# EAGLE board Mk4 Final Panel 8up 2x4 (EAGLE 9.0.1), part 1 of 23 (continued)
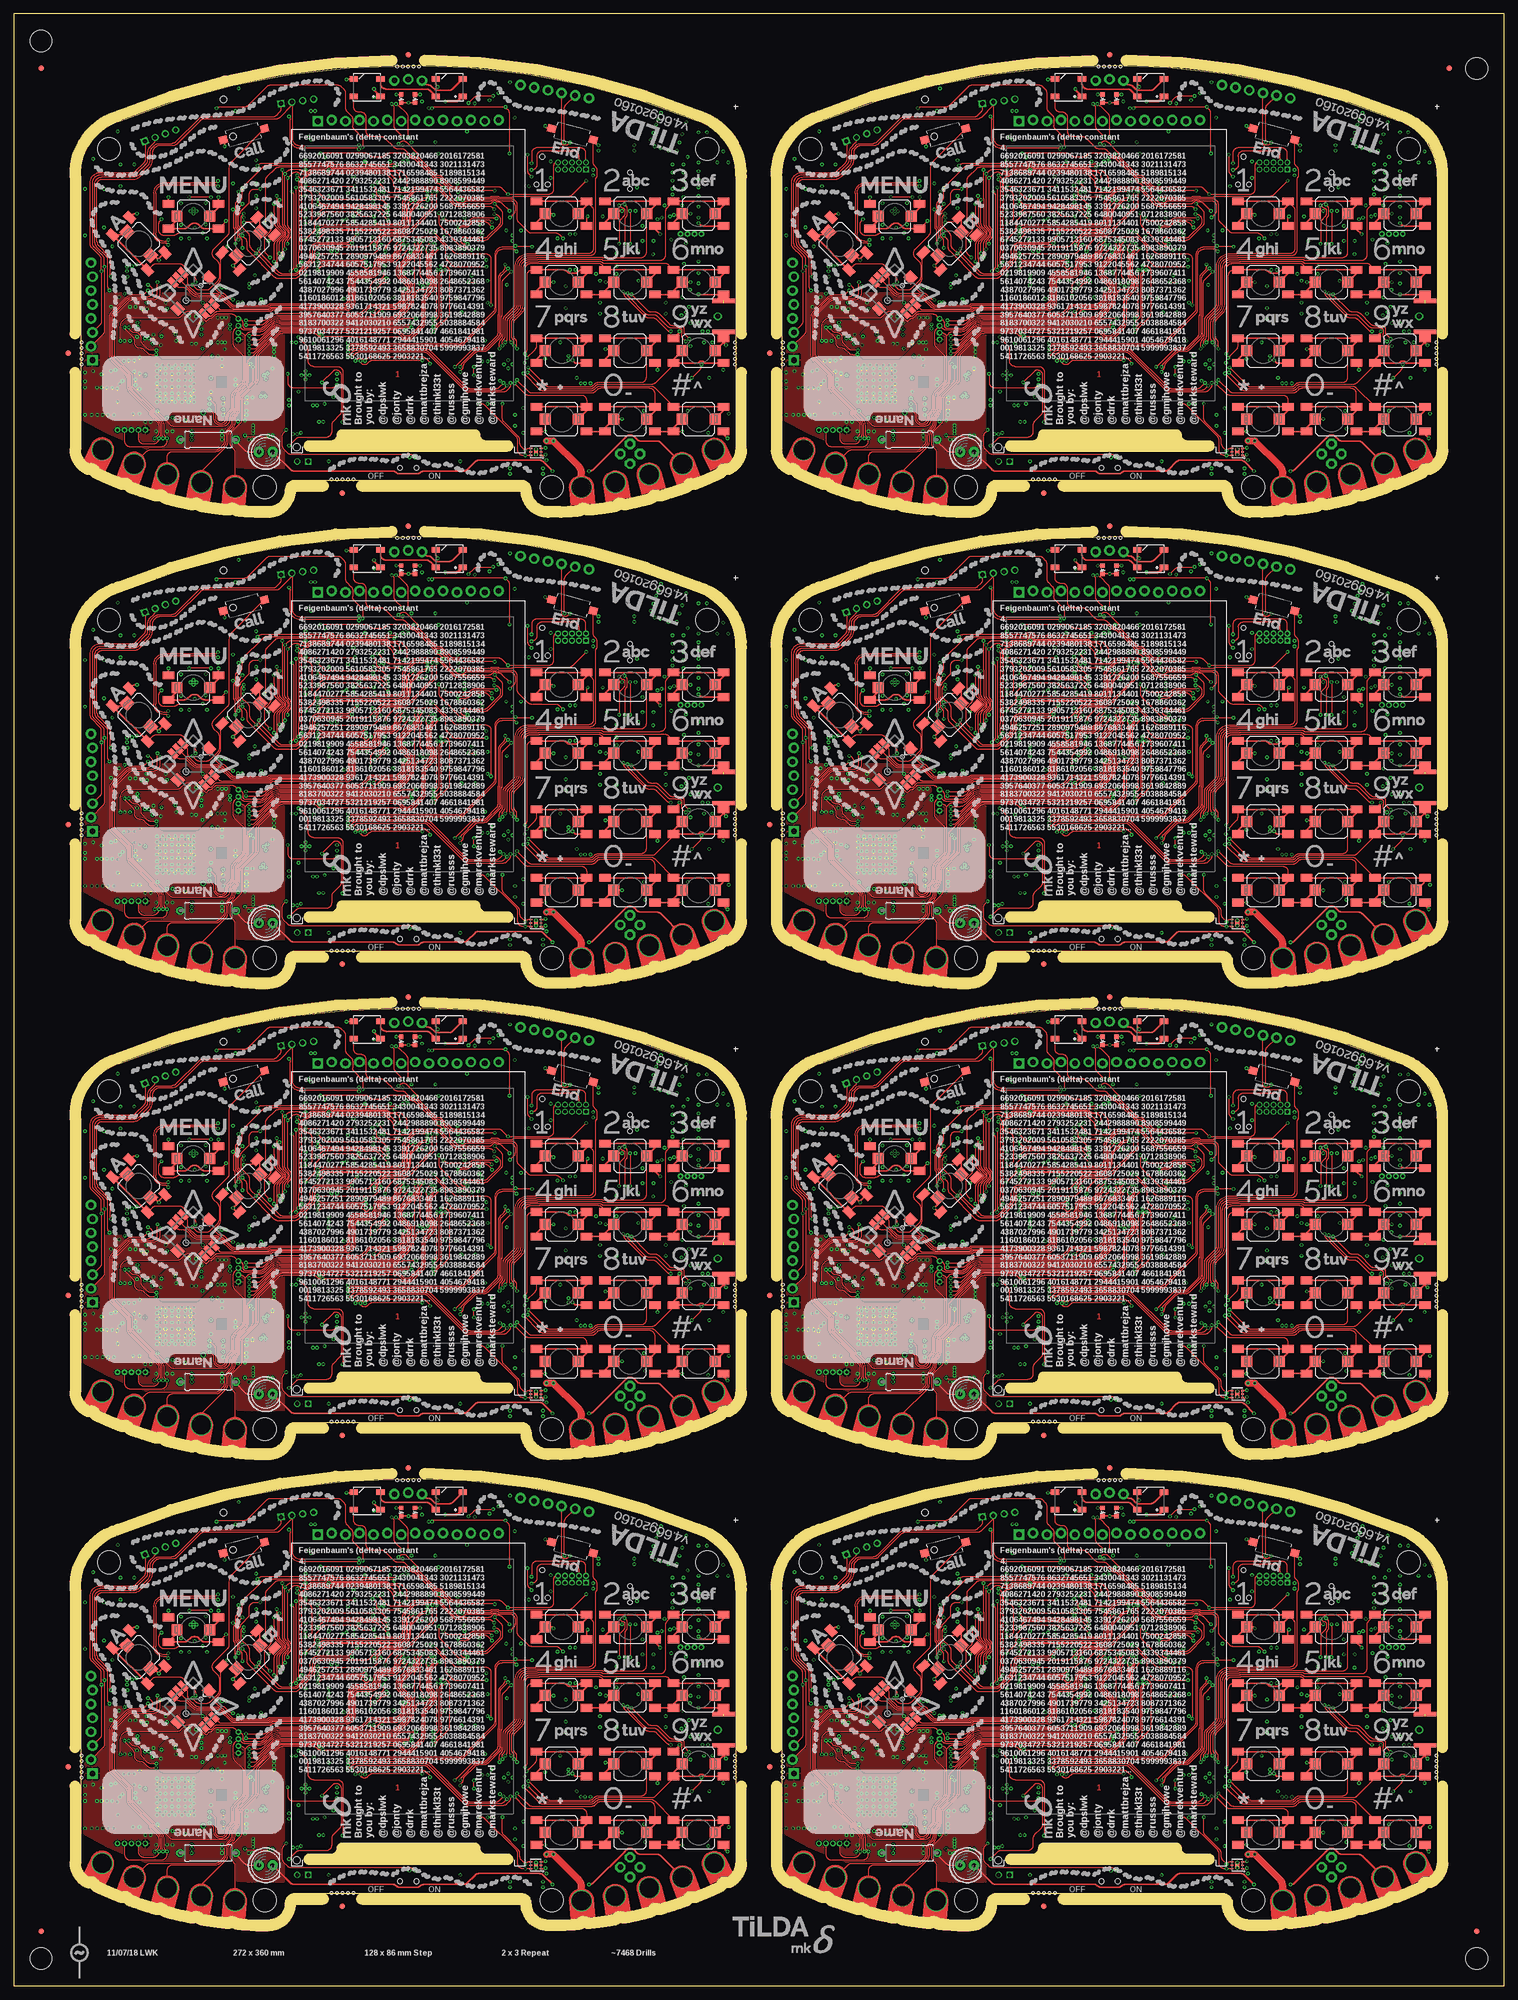
[diagram p0: board, top side]
## Placement (x,y rotation side) (continued)
C111  0603/1u/6V3/X5R  [C0603K-SMALL]  194.75,87.5 270 bottom
C112  0402/100n/10V/X5R  [C0402-SMALLER]  209.75,58.25 0 bottom
C113  0402/100n/10V/X5R  [C0402-SMALLER]  202.5,84.75 270 bottom
C114  0402/100n/10V/X5R  [C0402-SMALLER]  209.5,80.5 0 bottom
C115  0402/100n/10V/X5R  [C0402-SMALLER]  218.45,82.5 270 bottom
C116  0603/2u2/6V3/X5R  [C0603K-SMALL]  211,63.5 0 bottom
C117  0603/1u/6V3/X5R  [C0603K-SMALL]  211,62.25 0 bottom
C118  0402/100n/10V/X5R  [C0402-SMALLER]  201.75,75 270 bottom
C119  0402/100n/10V/X5R  [C0402-SMALLER]  209.5,65.25 90 bottom
C120  0402/100n/10V/X5R  [C0402-SMALLER]  190.75,64.6 270 bottom
C121  0402/100n/10V/X5R  [C0402-SMALLER]  199.5,74.25 0 bottom
C122  0402/100n/10V/X5R  [C0402-SMALLER]  200,55.5 180 bottom
C123  0402/100n/10V/X5R  [C0402-SMALLER]  202.75,55.5 180 bottom
C124  0603/1u/6V3/X5R  [C0603K-SMALL]  202.75,53.75 180 bottom
C125  0402/100n/10V/X5R  [C0402-SMALLER]  198.5,76.25 0 bottom
C126  0402/12p/50V/C0G  [C0402-SMALLER]  202.25,76.45 180 bottom
C127  0402/12p/50V/C0G  [C0402-SMALLER]  204.25,76.45 0 bottom
C128  0402/12p/50V/C0G  [C0402-SMALLER]  193.4,75 180 bottom
C129  0402/12p/50V/C0G  [C0402-SMALLER]  195.4,75 0 bottom
C130  0603/3n3/50V/X7R  [C0603K-SMALL]  216.5,89.5 90 bottom
C131  0402/100n/10V/X5R  [C0402-SMALLER]  214,37.75 180 bottom
C132  0402/100n/10V/X5R  [C0402-SMALLER]  184.25,73.5 0 bottom
C133  0402/100n/10V/X5R  [C0402-SMALLER]  184.25,68.75 0 bottom
C134  0402/100n/10V/X5R  [C0402-SMALLER]  169.25,66.25 180 bottom
C135  0402/100n/10V/X5R  [C0402-SMALLER]  184.25,64.75 0 bottom
C136  0402/100n/10V/X5R  [C0402-SMALLER]  184.25,75 0 bottom
C137  0402/100n/10V/X5R  [C0402-SMALLER]  169.25,71 180 bottom
C138  0402/100n/10V/X5R  [C0402-SMALLER]  184.25,54.25 0 bottom
C139  1411/100u/10V/Tant  [CT3528]  236.25,37.5 90 bottom
C140  0603/4u7/10V/X5R  [C0603K-SMALL]  241.5,39.75 180 bottom
C141  0402/100n/10V/X5R  [C0402-SMALLER]  243.25,42.75 180 bottom
C142  1411/100u/10V/Tant  [CT3528]  232.5,37.5 90 bottom
C143  0805/10u/10V/X5R  [C0805-N]  172.45,30.75 0 bottom
C144  0603/4u7/10V/X5R  [C0603K-SMALL]  173.45,26.35 90 bottom
C145  0805/10u/10V/X5R  [C0805-N]  172.45,28.75 0 bottom
C146  0805/10u/10V/X5R  [C0805-N]  221,27.75 270 bottom
C147  0805/10u/10V/X5R  [C0805-N]  183.75,32 180 bottom
C148  0805/10u/10V/X5R  [C0805-N]  176.75,38.5 90 bottom
C149  0603/4u7/10V/X5R  [C0603K-SMALL]  176.2,36.25 180 bottom
C150  0402/47n/10V/X5R  [C0402-SMALLER]  176.75,35.25 0 bottom
C151  0805/10u/10V/X5R  [C0805-N]  180.25,31 0 bottom
C152  0603/1u/6V3/X5R  [C0603K-SMALL]  177.75,40.75 0 bottom
C153  1210/100u/6V3/X5R  [C1210K]  166,49.25 270 bottom
C154  1210/100u/6V3/X5R  [C1210K]  163.25,25 0 bottom
C155  0402/22p/10V/C0G  [C0402-SMALLER]  241.5,64.5 270 bottom
C156  0402/22p/10V/C0G  [C0402-SMALLER]  238.5,64.5 270 bottom
C157  0402/22p/10V/C0G  [C0402-SMALLER]  236.5,64.5 270 bottom
C158  0402/100n/10V/X5R  [C0402-SMALLER]  255.25,26.25 180 bottom
C159  0402/33p/50V/C0G  [C0402-SMALLER]  238,78 0 bottom
C160  0402/10p/50V/C0G  [C0402-SMALLER]  236,77 0 bottom
C161  0402/33p/50V/C0G  [C0402-SMALLER]  240,78 180 bottom
C162  0402/33p/50V/C0G  [C0402-SMALLER]  236,78 0 bottom
C163  0402/10p/50V/C0G  [C0402-SMALLER]  238,77 0 bottom
C164  0402/10p/50V/C0G  [C0402-SMALLER]  240,77 180 bottom
C165  0402/33p/50V/C0G  [C0402-SMALLER]  229.5,58.5 90 bottom
C166  0402/10p/50V/C0G  [C0402-SMALLER]  230.5,60.5 90 bottom
C167  0402/33p/50V/C0G  [C0402-SMALLER]  229.5,56.5 270 bottom
C168  0402/33p/50V/C0G  [C0402-SMALLER]  229.5,60.5 90 bottom
C169  0402/10p/50V/C0G  [C0402-SMALLER]  230.5,58.5 90 bottom
C170  0402/10p/50V/C0G  [C0402-SMALLER]  230.5,56.5 270 bottom
C171  0402/100n/10V/X5R  [C0402-SMALLER]  219.25,62.45 180 bottom
C172  0402/100n/10V/X5R  [C0402-SMALLER]  234.75,73 270 bottom
C173  [C0402-SMALLER]  251.45,50.1 270 bottom
C174  [C0402-SMALLER]  252,47.5 180 bottom
C175  [C0402-SMALLER]  250.75,77 20 bottom
C176  [C0402-SMALLER]  251.75,79.75 20 bottom
C177  [C0402-SMALLER]  145.75,35.5 270 bottom
C178  [C0402-SMALLER]  142.5,35.5 270 bottom
C179  0402/1n/10V/X5R  [C0402-SMALLER]  221.5,69.75 0 bottom
C180  0402/2n2/10V/X5R  [C0402-SMALLER]  219.5,69.75 0 bottom
C181  0402/100n/10V/X5R  [C0402-SMALLER]  224,67 0 bottom
C182  0402/100n/10V/X5R  [C0402-SMALLER]  224,66 0 bottom
C183  0402/220n/6V3/X5R  [C0402-SMALLER]  163.95,70.45 180 bottom
C184  0402/220n/6V3/X5R  [C0402-SMALLER]  163.95,71.45 180 bottom
C185  0402/100n/10V/X5R  [C0402-SMALLER]  161.05,61.45 270 bottom
C186  0402/100n/10V/X5R  [C0402-SMALLER]  157,49.25 180 bottom
C187  0402/100n/10V/X5R  [C0402-SMALLER]  148.25,41 270 bottom
C188  0402/100n/10V/X5R  [C0402-SMALLER]  151.5,35.25 0 bottom
C189  0805/10u/10V/X5R  [C0805-N]  151.85,46.1 90 bottom
C190  0402/100n/10V/X5R  [C0402-SMALLER]  154.1,42.25 90 bottom
C191  0402/100n/10V/X5R  [C0402-SMALLER]  164.75,38.75 180 bottom
C192  0603/1u/6V3/X5R  [C0603K-SMALL]  151.5,41.75 0 bottom
C193  0603/22u/4V/X5R  [C0603K-SMALL]  161.25,44.75 90 bottom
C194  0603/22u/4V/X5R  [C0603K-SMALL]  160,44.75 90 bottom
C195  0805/10u/10V/X5R  [C0805-N]  166.25,44 270 bottom
C196  0402/4u7/6V3/X5R  [C0402-SMALLER]  155.6,42 90 bottom
C197  0402/4u7/6V3/X5R  [C0402-SMALLER]  161.2,40.5 180 bottom
C198  0402/4u7/6V3/X5R  [C0402-SMALLER]  156.9,42.2 90 bottom
C199  0402/100n/10V/X5R  [C0402-SMALLER]  156,27 270 bottom
C200  0402/100n/10V/X5R  [C0402-SMALLER]  164,34.25 270 bottom
C201  0805/10u/10V/X5R  [C0805-N]  164.5,40.75 180 bottom
C202  0402/100n/10V/X5R  [C0402-SMALLER]  151.5,34.25 0 bottom
C203  0402/100n/10V/X5R  [C0402-SMALLER]  164.75,37.75 180 bottom
C204  0402/100n/10V/X5R  [C0402-SMALLER]  165,30.75 180 bottom
C205  0402/100n/10V/X5R  [C0402-SMALLER]  157,27 270 bottom
C206  0402/12p/50V/C0G  [C0402-SMALLER]  150.95,32.25 270 bottom
C207  0402/12p/50V/C0G  [C0402-SMALLER]  150.95,30.25 90 bottom
C208  0402/12p/50V/C0G  [C0402-SMALLER]  167.75,33.75 270 bottom
C209  0402/12p/50V/C0G  [C0402-SMALLER]  167.75,35.75 90 bottom
C210  0402/100n/10V/X5R  [C0402-SMALLER]  215,31.5 180 bottom
C211  0402/120p/50V/C0G  [C0402-SMALLER]  167.95,26.35 270 bottom
C212  0402/100n/10V/X5R  [C0402-SMALLER]  224.25,22 90 bottom
C213  0402/220n/6V3/X5R  [C0402-SMALLER]  163.95,72.4 180 bottom
C214  0402/220n/6V3/X5R  [C0402-SMALLER]  164,69.5 180 bottom
C215  0402/100n/10V/X5R  [C0402-SMALLER]  219.35,18.5 270 bottom
C216  0402/100n/10V/X5R  [C0402-SMALLER]  226,21.5 270 bottom
C217  0603/4u7/10V/X5R  [C0603K-SMALL]  63.75,138.25 180 bottom
C218  0402/100n/10V/X5R  [C0402-SMALLER]  63.75,137 180 bottom
C219  0603/1u/6V3/X5R  [C0603K-SMALL]  66.75,173.5 270 bottom
C220  0402/100n/10V/X5R  [C0402-SMALLER]  81.75,144.25 0 bottom
C221  0402/100n/10V/X5R  [C0402-SMALLER]  74.5,170.75 270 bottom
C222  0402/100n/10V/X5R  [C0402-SMALLER]  81.5,166.5 0 bottom
C223  0402/100n/10V/X5R  [C0402-SMALLER]  90.45,168.5 270 bottom
C224  0603/2u2/6V3/X5R  [C0603K-SMALL]  83,149.5 0 bottom
C225  0603/1u/6V3/X5R  [C0603K-SMALL]  83,148.25 0 bottom
C226  0402/100n/10V/X5R  [C0402-SMALLER]  73.75,161 270 bottom
C227  0402/100n/10V/X5R  [C0402-SMALLER]  81.5,151.25 90 bottom
C228  0402/100n/10V/X5R  [C0402-SMALLER]  62.75,150.6 270 bottom
C229  0402/100n/10V/X5R  [C0402-SMALLER]  71.5,160.25 0 bottom
C230  0402/100n/10V/X5R  [C0402-SMALLER]  72,141.5 180 bottom
C231  0402/100n/10V/X5R  [C0402-SMALLER]  74.75,141.5 180 bottom
C232  0603/1u/6V3/X5R  [C0603K-SMALL]  74.75,139.75 180 bottom
C233  0402/100n/10V/X5R  [C0402-SMALLER]  70.5,162.25 0 bottom
C234  0402/12p/50V/C0G  [C0402-SMALLER]  74.25,162.45 180 bottom
C235  0402/12p/50V/C0G  [C0402-SMALLER]  76.25,162.45 0 bottom
C236  0402/12p/50V/C0G  [C0402-SMALLER]  65.4,161 180 bottom
C237  0402/12p/50V/C0G  [C0402-SMALLER]  67.4,161 0 bottom
C238  0603/3n3/50V/X7R  [C0603K-SMALL]  88.5,175.5 90 bottom
C239  0402/100n/10V/X5R  [C0402-SMALLER]  86,123.75 180 bottom
C240  0402/100n/10V/X5R  [C0402-SMALLER]  56.25,159.5 0 bottom
C241  0402/100n/10V/X5R  [C0402-SMALLER]  56.25,154.75 0 bottom
C242  0402/100n/10V/X5R  [C0402-SMALLER]  41.25,152.25 180 bottom
C243  0402/100n/10V/X5R  [C0402-SMALLER]  56.25,150.75 0 bottom
C244  0402/100n/10V/X5R  [C0402-SMALLER]  56.25,161 0 bottom
C245  0402/100n/10V/X5R  [C0402-SMALLER]  41.25,157 180 bottom
C246  0402/100n/10V/X5R  [C0402-SMALLER]  56.25,140.25 0 bottom
C247  1411/100u/10V/Tant  [CT3528]  108.25,123.5 90 bottom
C248  0603/4u7/10V/X5R  [C0603K-SMALL]  113.5,125.75 180 bottom
C249  0402/100n/10V/X5R  [C0402-SMALLER]  115.25,128.75 180 bottom
C250  1411/100u/10V/Tant  [CT3528]  104.5,123.5 90 bottom
C251  0805/10u/10V/X5R  [C0805-N]  44.45,116.75 0 bottom
C252  0603/4u7/10V/X5R  [C0603K-SMALL]  45.45,112.35 90 bottom
C253  0805/10u/10V/X5R  [C0805-N]  44.45,114.75 0 bottom
C254  0805/10u/10V/X5R  [C0805-N]  93,113.75 270 bottom
C255  0805/10u/10V/X5R  [C0805-N]  55.75,118 180 bottom
C256  0805/10u/10V/X5R  [C0805-N]  48.75,124.5 90 bottom
C257  0603/4u7/10V/X5R  [C0603K-SMALL]  48.2,122.25 180 bottom
C258  0402/47n/10V/X5R  [C0402-SMALLER]  48.75,121.25 0 bottom
C259  0805/10u/10V/X5R  [C0805-N]  52.25,117 0 bottom
C260  0603/1u/6V3/X5R  [C0603K-SMALL]  49.75,126.75 0 bottom
C261  1210/100u/6V3/X5R  [C1210K]  38,135.25 270 bottom
C262  1210/100u/6V3/X5R  [C1210K]  35.25,111 0 bottom
C263  0402/22p/10V/C0G  [C0402-SMALLER]  113.5,150.5 270 bottom
C264  0402/22p/10V/C0G  [C0402-SMALLER]  110.5,150.5 270 bottom
C265  0402/22p/10V/C0G  [C0402-SMALLER]  108.5,150.5 270 bottom
C266  0402/100n/10V/X5R  [C0402-SMALLER]  127.25,112.25 180 bottom
C267  0402/33p/50V/C0G  [C0402-SMALLER]  110,164 0 bottom
C268  0402/10p/50V/C0G  [C0402-SMALLER]  108,163 0 bottom
C269  0402/33p/50V/C0G  [C0402-SMALLER]  112,164 180 bottom
C270  0402/33p/50V/C0G  [C0402-SMALLER]  108,164 0 bottom
C271  0402/10p/50V/C0G  [C0402-SMALLER]  110,163 0 bottom
C272  0402/10p/50V/C0G  [C0402-SMALLER]  112,163 180 bottom
C273  0402/33p/50V/C0G  [C0402-SMALLER]  101.5,144.5 90 bottom
C274  0402/10p/50V/C0G  [C0402-SMALLER]  102.5,146.5 90 bottom
C275  0402/33p/50V/C0G  [C0402-SMALLER]  101.5,142.5 270 bottom
C276  0402/33p/50V/C0G  [C0402-SMALLER]  101.5,146.5 90 bottom
C277  0402/10p/50V/C0G  [C0402-SMALLER]  102.5,144.5 90 bottom
C278  0402/10p/50V/C0G  [C0402-SMALLER]  102.5,142.5 270 bottom
C279  0402/100n/10V/X5R  [C0402-SMALLER]  91.25,148.45 180 bottom
C280  0402/100n/10V/X5R  [C0402-SMALLER]  106.75,159 270 bottom
C281  [C0402-SMALLER]  123.45,136.1 270 bottom
C282  [C0402-SMALLER]  124,133.5 180 bottom
C283  [C0402-SMALLER]  122.75,163 20 bottom
C284  [C0402-SMALLER]  123.75,165.75 20 bottom
C285  [C0402-SMALLER]  17.75,121.5 270 bottom
C286  [C0402-SMALLER]  14.5,121.5 270 bottom
C287  0402/1n/10V/X5R  [C0402-SMALLER]  93.5,155.75 0 bottom
C288  0402/2n2/10V/X5R  [C0402-SMALLER]  91.5,155.75 0 bottom
C289  0402/100n/10V/X5R  [C0402-SMALLER]  96,153 0 bottom
C290  0402/100n/10V/X5R  [C0402-SMALLER]  96,152 0 bottom
C291  0402/220n/6V3/X5R  [C0402-SMALLER]  35.95,156.45 180 bottom
C292  0402/220n/6V3/X5R  [C0402-SMALLER]  35.95,157.45 180 bottom
C293  0402/100n/10V/X5R  [C0402-SMALLER]  33.05,147.45 270 bottom
C294  0402/100n/10V/X5R  [C0402-SMALLER]  29,135.25 180 bottom
C295  0402/100n/10V/X5R  [C0402-SMALLER]  20.25,127 270 bottom
C296  0402/100n/10V/X5R  [C0402-SMALLER]  23.5,121.25 0 bottom
C297  0805/10u/10V/X5R  [C0805-N]  23.85,132.1 90 bottom
C298  0402/100n/10V/X5R  [C0402-SMALLER]  26.1,128.25 90 bottom
C299  0402/100n/10V/X5R  [C0402-SMALLER]  36.75,124.75 180 bottom
C300  0603/1u/6V3/X5R  [C0603K-SMALL]  23.5,127.75 0 bottom
C301  0603/22u/4V/X5R  [C0603K-SMALL]  33.25,130.75 90 bottom
C302  0603/22u/4V/X5R  [C0603K-SMALL]  32,130.75 90 bottom
C303  0805/10u/10V/X5R  [C0805-N]  38.25,130 270 bottom
C304  0402/4u7/6V3/X5R  [C0402-SMALLER]  27.6,128 90 bottom
C305  0402/4u7/6V3/X5R  [C0402-SMALLER]  33.2,126.5 180 bottom
C306  0402/4u7/6V3/X5R  [C0402-SMALLER]  28.9,128.2 90 bottom
C307  0402/100n/10V/X5R  [C0402-SMALLER]  28,113 270 bottom
C308  0402/100n/10V/X5R  [C0402-SMALLER]  36,120.25 270 bottom
C309  0805/10u/10V/X5R  [C0805-N]  36.5,126.75 180 bottom
C310  0402/100n/10V/X5R  [C0402-SMALLER]  23.5,120.25 0 bottom
C311  0402/100n/10V/X5R  [C0402-SMALLER]  36.75,123.75 180 bottom
C312  0402/100n/10V/X5R  [C0402-SMALLER]  37,116.75 180 bottom
C313  0402/100n/10V/X5R  [C0402-SMALLER]  29,113 270 bottom
C314  0402/12p/50V/C0G  [C0402-SMALLER]  22.95,118.25 270 bottom
C315  0402/12p/50V/C0G  [C0402-SMALLER]  22.95,116.25 90 bottom
C316  0402/12p/50V/C0G  [C0402-SMALLER]  39.75,119.75 270 bottom
C317  0402/12p/50V/C0G  [C0402-SMALLER]  39.75,121.75 90 bottom
C318  0402/100n/10V/X5R  [C0402-SMALLER]  87,117.5 180 bottom
C319  0402/120p/50V/C0G  [C0402-SMALLER]  39.95,112.35 270 bottom
C320  0402/100n/10V/X5R  [C0402-SMALLER]  96.25,108 90 bottom
C321  0402/220n/6V3/X5R  [C0402-SMALLER]  35.95,158.4 180 bottom
C322  0402/220n/6V3/X5R  [C0402-SMALLER]  36,155.5 180 bottom
C323  0402/100n/10V/X5R  [C0402-SMALLER]  91.35,104.5 270 bottom
C324  0402/100n/10V/X5R  [C0402-SMALLER]  98,107.5 270 bottom
C325  0603/4u7/10V/X5R  [C0603K-SMALL]  191.75,138.25 180 bottom
C326  0402/100n/10V/X5R  [C0402-SMALLER]  191.75,137 180 bottom
C327  0603/1u/6V3/X5R  [C0603K-SMALL]  194.75,173.5 270 bottom
C328  0402/100n/10V/X5R  [C0402-SMALLER]  209.75,144.25 0 bottom
C329  0402/100n/10V/X5R  [C0402-SMALLER]  202.5,170.75 270 bottom
C330  0402/100n/10V/X5R  [C0402-SMALLER]  209.5,166.5 0 bottom
C331  0402/100n/10V/X5R  [C0402-SMALLER]  218.45,168.5 270 bottom
C332  0603/2u2/6V3/X5R  [C0603K-SMALL]  211,149.5 0 bottom
C333  0603/1u/6V3/X5R  [C0603K-SMALL]  211,148.25 0 bottom
C334  0402/100n/10V/X5R  [C0402-SMALLER]  201.75,161 270 bottom
C335  0402/100n/10V/X5R  [C0402-SMALLER]  209.5,151.25 90 bottom
C336  0402/100n/10V/X5R  [C0402-SMALLER]  190.75,150.6 270 bottom
C337  0402/100n/10V/X5R  [C0402-SMALLER]  199.5,160.25 0 bottom
C338  0402/100n/10V/X5R  [C0402-SMALLER]  200,141.5 180 bottom
C339  0402/100n/10V/X5R  [C0402-SMALLER]  202.75,141.5 180 bottom
C340  0603/1u/6V3/X5R  [C0603K-SMALL]  202.75,139.75 180 bottom
C341  0402/100n/10V/X5R  [C0402-SMALLER]  198.5,162.25 0 bottom
C342  0402/12p/50V/C0G  [C0402-SMALLER]  202.25,162.45 180 bottom
C343  0402/12p/50V/C0G  [C0402-SMALLER]  204.25,162.45 0 bottom
C344  0402/12p/50V/C0G  [C0402-SMALLER]  193.4,161 180 bottom
C345  0402/12p/50V/C0G  [C0402-SMALLER]  195.4,161 0 bottom
C346  0603/3n3/50V/X7R  [C0603K-SMALL]  216.5,175.5 90 bottom
C347  0402/100n/10V/X5R  [C0402-SMALLER]  214,123.75 180 bottom
C348  0402/100n/10V/X5R  [C0402-SMALLER]  184.25,159.5 0 bottom
C349  0402/100n/10V/X5R  [C0402-SMALLER]  184.25,154.75 0 bottom
C350  0402/100n/10V/X5R  [C0402-SMALLER]  169.25,152.25 180 bottom
C351  0402/100n/10V/X5R  [C0402-SMALLER]  184.25,150.75 0 bottom
C352  0402/100n/10V/X5R  [C0402-SMALLER]  184.25,161 0 bottom
C353  0402/100n/10V/X5R  [C0402-SMALLER]  169.25,157 180 bottom
C354  0402/100n/10V/X5R  [C0402-SMALLER]  184.25,140.25 0 bottom
C355  1411/100u/10V/Tant  [CT3528]  236.25,123.5 90 bottom
C356  0603/4u7/10V/X5R  [C0603K-SMALL]  241.5,125.75 180 bottom
C357  0402/100n/10V/X5R  [C0402-SMALLER]  243.25,128.75 180 bottom
C358  1411/100u/10V/Tant  [CT3528]  232.5,123.5 90 bottom
C359  0805/10u/10V/X5R  [C0805-N]  172.45,116.75 0 bottom
C360  0603/4u7/10V/X5R  [C0603K-SMALL]  173.45,112.35 90 bottom
C361  0805/10u/10V/X5R  [C0805-N]  172.45,114.75 0 bottom
C362  0805/10u/10V/X5R  [C0805-N]  221,113.75 270 bottom
C363  0805/10u/10V/X5R  [C0805-N]  183.75,118 180 bottom
C364  0805/10u/10V/X5R  [C0805-N]  176.75,124.5 90 bottom
C365  0603/4u7/10V/X5R  [C0603K-SMALL]  176.2,122.25 180 bottom
C366  0402/47n/10V/X5R  [C0402-SMALLER]  176.75,121.25 0 bottom
C367  0805/10u/10V/X5R  [C0805-N]  180.25,117 0 bottom
C368  0603/1u/6V3/X5R  [C0603K-SMALL]  177.75,126.75 0 bottom
C369  1210/100u/6V3/X5R  [C1210K]  166,135.25 270 bottom
C370  1210/100u/6V3/X5R  [C1210K]  163.25,111 0 bottom
C371  0402/22p/10V/C0G  [C0402-SMALLER]  241.5,150.5 270 bottom
C372  0402/22p/10V/C0G  [C0402-SMALLER]  238.5,150.5 270 bottom
C373  0402/22p/10V/C0G  [C0402-SMALLER]  236.5,150.5 270 bottom
C374  0402/100n/10V/X5R  [C0402-SMALLER]  255.25,112.25 180 bottom
C375  0402/33p/50V/C0G  [C0402-SMALLER]  238,164 0 bottom
C376  0402/10p/50V/C0G  [C0402-SMALLER]  236,163 0 bottom
C377  0402/33p/50V/C0G  [C0402-SMALLER]  240,164 180 bottom
C378  0402/33p/50V/C0G  [C0402-SMALLER]  236,164 0 bottom
C379  0402/10p/50V/C0G  [C0402-SMALLER]  238,163 0 bottom
C380  0402/10p/50V/C0G  [C0402-SMALLER]  240,163 180 bottom
C381  0402/33p/50V/C0G  [C0402-SMALLER]  229.5,144.5 90 bottom
C382  0402/10p/50V/C0G  [C0402-SMALLER]  230.5,146.5 90 bottom
C383  0402/33p/50V/C0G  [C0402-SMALLER]  229.5,142.5 270 bottom
C384  0402/33p/50V/C0G  [C0402-SMALLER]  229.5,146.5 90 bottom
C385  0402/10p/50V/C0G  [C0402-SMALLER]  230.5,144.5 90 bottom
C386  0402/10p/50V/C0G  [C0402-SMALLER]  230.5,142.5 270 bottom
C387  0402/100n/10V/X5R  [C0402-SMALLER]  219.25,148.45 180 bottom
C388  0402/100n/10V/X5R  [C0402-SMALLER]  234.75,159 270 bottom
C389  [C0402-SMALLER]  251.45,136.1 270 bottom
C390  [C0402-SMALLER]  252,133.5 180 bottom
C391  [C0402-SMALLER]  250.75,163 20 bottom
C392  [C0402-SMALLER]  251.75,165.75 20 bottom
C393  [C0402-SMALLER]  145.75,121.5 270 bottom
C394  [C0402-SMALLER]  142.5,121.5 270 bottom
C395  0402/1n/10V/X5R  [C0402-SMALLER]  221.5,155.75 0 bottom
C396  0402/2n2/10V/X5R  [C0402-SMALLER]  219.5,155.75 0 bottom
C397  0402/100n/10V/X5R  [C0402-SMALLER]  224,153 0 bottom
C398  0402/100n/10V/X5R  [C0402-SMALLER]  224,152 0 bottom
C399  0402/220n/6V3/X5R  [C0402-SMALLER]  163.95,156.45 180 bottom
C400  0402/220n/6V3/X5R  [C0402-SMALLER]  163.95,157.45 180 bottom
C401  0402/100n/10V/X5R  [C0402-SMALLER]  161.05,147.45 270 bottom
C402  0402/100n/10V/X5R  [C0402-SMALLER]  157,135.25 180 bottom
C403  0402/100n/10V/X5R  [C0402-SMALLER]  148.25,127 270 bottom
C404  0402/100n/10V/X5R  [C0402-SMALLER]  151.5,121.25 0 bottom
C405  0805/10u/10V/X5R  [C0805-N]  151.85,132.1 90 bottom
C406  0402/100n/10V/X5R  [C0402-SMALLER]  154.1,128.25 90 bottom
C407  0402/100n/10V/X5R  [C0402-SMALLER]  164.75,124.75 180 bottom
C408  0603/1u/6V3/X5R  [C0603K-SMALL]  151.5,127.75 0 bottom
C409  0603/22u/4V/X5R  [C0603K-SMALL]  161.25,130.75 90 bottom
C410  0603/22u/4V/X5R  [C0603K-SMALL]  160,130.75 90 bottom
C411  0805/10u/10V/X5R  [C0805-N]  166.25,130 270 bottom
C412  0402/4u7/6V3/X5R  [C0402-SMALLER]  155.6,128 90 bottom
C413  0402/4u7/6V3/X5R  [C0402-SMALLER]  161.2,126.5 180 bottom
C414  0402/4u7/6V3/X5R  [C0402-SMALLER]  156.9,128.2 90 bottom
C415  0402/100n/10V/X5R  [C0402-SMALLER]  156,113 270 bottom
C416  0402/100n/10V/X5R  [C0402-SMALLER]  164,120.25 270 bottom
C417  0805/10u/10V/X5R  [C0805-N]  164.5,126.75 180 bottom
C418  0402/100n/10V/X5R  [C0402-SMALLER]  151.5,120.25 0 bottom
C419  0402/100n/10V/X5R  [C0402-SMALLER]  164.75,123.75 180 bottom
C420  0402/100n/10V/X5R  [C0402-SMALLER]  165,116.75 180 bottom
C421  0402/100n/10V/X5R  [C0402-SMALLER]  157,113 270 bottom
C422  0402/12p/50V/C0G  [C0402-SMALLER]  150.95,118.25 270 bottom
C423  0402/12p/50V/C0G  [C0402-SMALLER]  150.95,116.25 90 bottom
C424  0402/12p/50V/C0G  [C0402-SMALLER]  167.75,119.75 270 bottom
C425  0402/12p/50V/C0G  [C0402-SMALLER]  167.75,121.75 90 bottom
C426  0402/100n/10V/X5R  [C0402-SMALLER]  215,117.5 180 bottom
C427  0402/120p/50V/C0G  [C0402-SMALLER]  167.95,112.35 270 bottom
C428  0402/100n/10V/X5R  [C0402-SMALLER]  224.25,108 90 bottom
C429  0402/220n/6V3/X5R  [C0402-SMALLER]  163.95,158.4 180 bottom
C430  0402/220n/6V3/X5R  [C0402-SMALLER]  164,155.5 180 bottom
C431  0402/100n/10V/X5R  [C0402-SMALLER]  219.35,104.5 270 bottom
C432  0402/100n/10V/X5R  [C0402-SMALLER]  226,107.5 270 bottom
C433  0603/4u7/10V/X5R  [C0603K-SMALL]  63.75,224.25 180 bottom
C434  0402/100n/10V/X5R  [C0402-SMALLER]  63.75,223 180 bottom
C435  0603/1u/6V3/X5R  [C0603K-SMALL]  66.75,259.5 270 bottom
C436  0402/100n/10V/X5R  [C0402-SMALLER]  81.75,230.25 0 bottom
C437  0402/100n/10V/X5R  [C0402-SMALLER]  74.5,256.75 270 bottom
C438  0402/100n/10V/X5R  [C0402-SMALLER]  81.5,252.5 0 bottom
C439  0402/100n/10V/X5R  [C0402-SMALLER]  90.45,254.5 270 bottom
C440  0603/2u2/6V3/X5R  [C0603K-SMALL]  83,235.5 0 bottom
C441  0603/1u/6V3/X5R  [C0603K-SMALL]  83,234.25 0 bottom
C442  0402/100n/10V/X5R  [C0402-SMALLER]  73.75,247 270 bottom
C443  0402/100n/10V/X5R  [C0402-SMALLER]  81.5,237.25 90 bottom
C444  0402/100n/10V/X5R  [C0402-SMALLER]  62.75,236.6 270 bottom
C445  0402/100n/10V/X5R  [C0402-SMALLER]  71.5,246.25 0 bottom
C446  0402/100n/10V/X5R  [C0402-SMALLER]  72,227.5 180 bottom
C447  0402/100n/10V/X5R  [C0402-SMALLER]  74.75,227.5 180 bottom
C448  0603/1u/6V3/X5R  [C0603K-SMALL]  74.75,225.75 180 bottom
C449  0402/100n/10V/X5R  [C0402-SMALLER]  70.5,248.25 0 bottom
C450  0402/12p/50V/C0G  [C0402-SMALLER]  74.25,248.45 180 bottom
C451  0402/12p/50V/C0G  [C0402-SMALLER]  76.25,248.45 0 bottom
C452  0402/12p/50V/C0G  [C0402-SMALLER]  65.4,247 180 bottom
C453  0402/12p/50V/C0G  [C0402-SMALLER]  67.4,247 0 bottom
C454  0603/3n3/50V/X7R  [C0603K-SMALL]  88.5,261.5 90 bottom
C455  0402/100n/10V/X5R  [C0402-SMALLER]  86,209.75 180 bottom
C456  0402/100n/10V/X5R  [C0402-SMALLER]  56.25,245.5 0 bottom
C457  0402/100n/10V/X5R  [C0402-SMALLER]  56.25,240.75 0 bottom
C458  0402/100n/10V/X5R  [C0402-SMALLER]  41.25,238.25 180 bottom
C459  0402/100n/10V/X5R  [C0402-SMALLER]  56.25,236.75 0 bottom
C460  0402/100n/10V/X5R  [C0402-SMALLER]  56.25,247 0 bottom
C461  0402/100n/10V/X5R  [C0402-SMALLER]  41.25,243 180 bottom
C462  0402/100n/10V/X5R  [C0402-SMALLER]  56.25,226.25 0 bottom
C463  1411/100u/10V/Tant  [CT3528]  108.25,209.5 90 bottom
C464  0603/4u7/10V/X5R  [C0603K-SMALL]  113.5,211.75 180 bottom
C465  0402/100n/10V/X5R  [C0402-SMALLER]  115.25,214.75 180 bottom
C466  1411/100u/10V/Tant  [CT3528]  104.5,209.5 90 bottom
C467  0805/10u/10V/X5R  [C0805-N]  44.45,202.75 0 bottom
C468  0603/4u7/10V/X5R  [C0603K-SMALL]  45.45,198.35 90 bottom
C469  0805/10u/10V/X5R  [C0805-N]  44.45,200.75 0 bottom
C470  0805/10u/10V/X5R  [C0805-N]  93,199.75 270 bottom
C471  0805/10u/10V/X5R  [C0805-N]  55.75,204 180 bottom
C472  0805/10u/10V/X5R  [C0805-N]  48.75,210.5 90 bottom
C473  0603/4u7/10V/X5R  [C0603K-SMALL]  48.2,208.25 180 bottom
C474  0402/47n/10V/X5R  [C0402-SMALLER]  48.75,207.25 0 bottom
C475  0805/10u/10V/X5R  [C0805-N]  52.25,203 0 bottom
C476  0603/1u/6V3/X5R  [C0603K-SMALL]  49.75,212.75 0 bottom
C477  1210/100u/6V3/X5R  [C1210K]  38,221.25 270 bottom
C478  1210/100u/6V3/X5R  [C1210K]  35.25,197 0 bottom
C479  0402/22p/10V/C0G  [C0402-SMALLER]  113.5,236.5 270 bottom
C480  0402/22p/10V/C0G  [C0402-SMALLER]  110.5,236.5 270 bottom
C481  0402/22p/10V/C0G  [C0402-SMALLER]  108.5,236.5 270 bottom
C482  0402/100n/10V/X5R  [C0402-SMALLER]  127.25,198.25 180 bottom
C483  0402/33p/50V/C0G  [C0402-SMALLER]  110,250 0 bottom
C484  0402/10p/50V/C0G  [C0402-SMALLER]  108,249 0 bottom
C485  0402/33p/50V/C0G  [C0402-SMALLER]  112,250 180 bottom
C486  0402/33p/50V/C0G  [C0402-SMALLER]  108,250 0 bottom
C487  0402/10p/50V/C0G  [C0402-SMALLER]  110,249 0 bottom
C488  0402/10p/50V/C0G  [C0402-SMALLER]  112,249 180 bottom
C489  0402/33p/50V/C0G  [C0402-SMALLER]  101.5,230.5 90 bottom
C490  0402/10p/50V/C0G  [C0402-SMALLER]  102.5,232.5 90 bottom
C491  0402/33p/50V/C0G  [C0402-SMALLER]  101.5,228.5 270 bottom
C492  0402/33p/50V/C0G  [C0402-SMALLER]  101.5,232.5 90 bottom
C493  0402/10p/50V/C0G  [C0402-SMALLER]  102.5,230.5 90 bottom
C494  0402/10p/50V/C0G  [C0402-SMALLER]  102.5,228.5 270 bottom
C495  0402/100n/10V/X5R  [C0402-SMALLER]  91.25,234.45 180 bottom
C496  0402/100n/10V/X5R  [C0402-SMALLER]  106.75,245 270 bottom
C497  [C0402-SMALLER]  123.45,222.1 270 bottom
C498  [C0402-SMALLER]  124,219.5 180 bottom
C499  [C0402-SMALLER]  122.75,249 20 bottom
C500  [C0402-SMALLER]  123.75,251.75 20 bottom
C501  [C0402-SMALLER]  17.75,207.5 270 bottom
C502  [C0402-SMALLER]  14.5,207.5 270 bottom
C503  0402/1n/10V/X5R  [C0402-SMALLER]  93.5,241.75 0 bottom